# Altium PCB Clock_Board.PcbDoc (part 1 of 2)
Units mm, origin at the board's own origin, x right, y up, seen from the top; angles counter-clockwise.
Board outline 147.72 x 54.63 mm, 2 copper layers (Top Layer, Bottom Layer); 93 components, 96 nets, 439 pads, 453 vias.
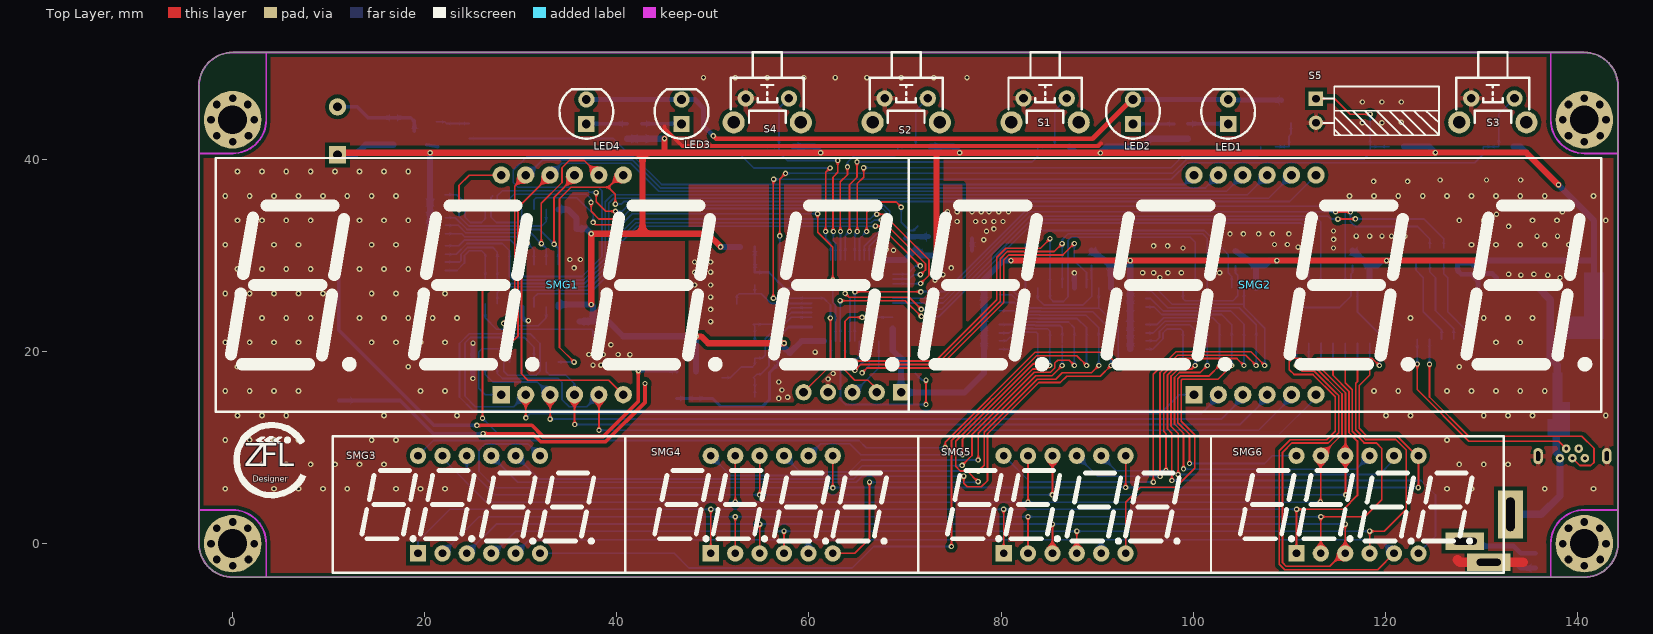
[diagram p0: Top Layer view]
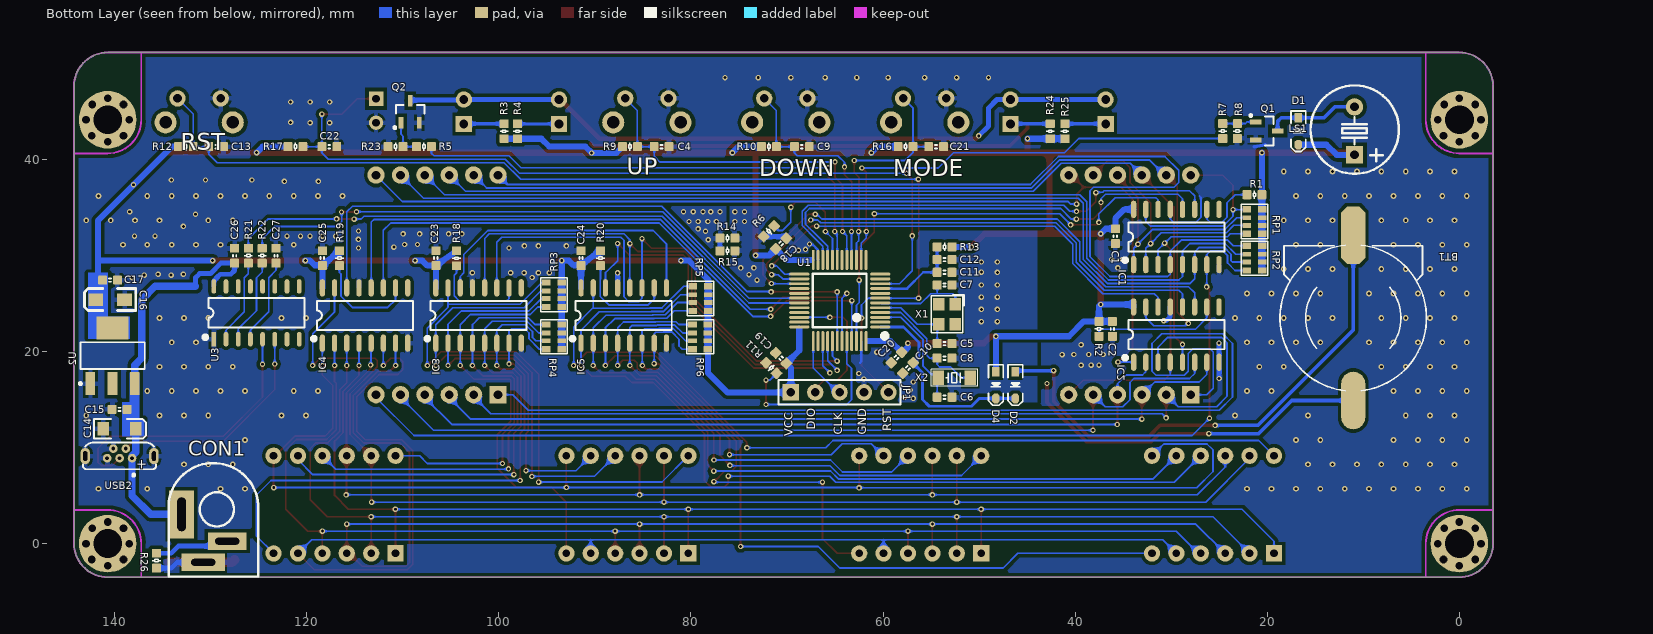
[diagram p1: Bottom Layer view, seen from below]

## Layer stack, top to bottom
Top Solder: solder mask 0.0102, Solder Resist, Dk 3.5
Top Layer: signal copper 0.0356
Dielectric 1: dielectric 0.32, FR-4, Dk 4.8
Bottom Layer: signal copper 0.0356
Bottom Solder: solder mask 0.0102, Solder Resist, Dk 3.5

## Board outline
-3.5,0 -3.5,47.625 cw(c0,47.625) 0,51.125 140.716,51.125 cw(c140.716,47.625) 144.216,47.625 144.216,0 cw(c140.716,0) 140.716,-3.5 0,-3.5 cw(c0,0)

## Design rules (kind name [scope] priority, off if disabled: settings)
Clearance Clearance_3 [InNamedPolygon('GGND_TOP')] p1: gap=0.381 ignorepadtopadclearanceinfootprint=FALSE except(0: Arc-Hole Track-Hole SMDPad-Hole THPad-Hole Via-Hole Fill-Hole Poly-Hole Region-Hole Text-Hole)
Clearance Clearance_2 [InNamedPolygon('GGND_TOP')] p2: gap=0.381 ignorepadtopadclearanceinfootprint=FALSE except(0: Arc-Hole Track-Hole SMDPad-Hole THPad-Hole Via-Hole Fill-Hole Poly-Hole Region-Hole Text-Hole)
Clearance Clearance_1 [InNamedPolygon('GGND_L01_P000')] p3: gap=0.381 ignorepadtopadclearanceinfootprint=FALSE except(0: Arc-Hole Track-Hole SMDPad-Hole THPad-Hole Via-Hole Fill-Hole Poly-Hole Region-Hole Text-Hole)
Clearance [All] p4: gap=0.178 ignorepadtopadclearanceinfootprint=FALSE
ComponentClearance [All] p1 off: gap=0.254 collisioncheckmode=3 verticalgap=0.254 showdistances=FALSE
PolygonConnect PolygonConnect_isvia [IsVia] p1: connectstyle=Direct reliefconductorwidth=0.508 reliefentries=4 polygonreliefangle="90 Angle" airgapwidth=0.254
PolygonConnect [All] p2: connectstyle=Relief reliefconductorwidth=0.508 reliefentries=4 polygonreliefangle="90 Angle" airgapwidth=0.254
RoomDefinition Clock [InComponentClass('Clock')] p1: confinementstyle=ConfineIn formatcopy=TRUE lockcomponents=FALSE outline -148.082,-133.985 418.973,-133.985 418.973,401.193 -148.082,401.193
RoutingVias [All] p1: holewidth=0.711 width=1.27 viastyle="Through Hole" minholewidth=0.711 minwidth=1.27 maxholewidth=0.711 maxwidth=1.27
SolderMaskExpansion [All] p1: expansion=0.102 istentingtop=FALSE
Width [All] p1: maxlimit=2.54 minlimit=0.178 preferedwidth=0.178
29 further rules are at their usual default settings.

## Components (designator, comment, footprint, x,y, rotation, side; value= is the part's Value field where it differs from the comment)
BT1 "BATTERY" VBAT 10.922,23.368 r0 bottom
C1 "100nF" 0603CC#1 35.814,32.004 r180 bottom
C2 "100nF" 0603CC#1 36.116,22.352 r180 bottom
C4 "100nF" 0603CC#1 83.045,41.323 r90 bottom
C5 "22p" 0603CC#2 53.593,20.828 r90 bottom
C6 "22p" 0603CC#2 53.594,15.24 r270 bottom
C7 "22p" 0603CC#2 53.593,26.924 r90 bottom
C8 "22p" 0603CC#2 53.593,19.304 r270 bottom
C9 "100nF" 0603CC#1 68.453,41.323 r90 bottom
C10 "100nF" 0603CC#2 57.404,18.288 r225 bottom
C11 "10uF" 0603CC#2 53.594,28.245 r90 bottom
C12 "100nF" 0603CC#2 53.594,29.566 r90 bottom
C13 "10uF" 0603CC#1 129.413,41.323 r270 bottom
C14 "470uF/35V" "CD A(3216)" 139.476,11.938 r0 bottom
C15 "100nF" 0603CC#1 139.476,13.97 r90 bottom
C16 "470uF/35V" C3216 140.462,25.4 r180 bottom
C17 "100nF" 0603CC#1 140.462,27.432 r270 bottom
C18 "1uF" 0603CC#2 70.612,31.242 r45 bottom
C19 "100nF" 0603CC#2 70.612,19.304 r315 bottom
C20 "10nF" 0603CC#2 58.592,19.381 r225 bottom
C21 "100nF" 0603CC#1 54.47,41.323 r90 bottom
C22 "100nF" 0603CC#1 117.642,41.323 r90 bottom
C23 "100nF" 0603CC#1 106.553,29.718 r0 bottom
C24 "100nF" 0603CC#1 91.44,29.718 r0 bottom
C25 "100nF" 0603CC#1 118.364,29.718 r0 bottom
C26 "100nF" 0603CC#1 127.508,29.972 r0 bottom
C27 "100nF" 0603CC#1 123.19,29.972 r0 bottom
CON1 "3.5*1.3" DC-012 133.02,3.054 r180 bottom
D1 "1N4148" SOD-323 16.764,42.926 r270 bottom
D2 "1N4148" SOD-323 46.228,16.51 r270 bottom
D4 "1N4148" SOD-323 48.26,16.51 r270 bottom
IC1 "74HC595" SOP16_N 29.464,31.921 r90 bottom
IC2 "74HC595" SOP16_N 29.464,21.761 r90 bottom
IC3 "74HC595" SOP16_N 102.108,23.749 r90 bottom
IC4 "74HC595" SOP16_N 113.919,23.749 r90 bottom
IC5 "74HC595" SOP16_N 86.995,23.749 r90 bottom
JP1 "HDR-1X5" HDR2.54-LI-5P 64.516,15.748 r180 bottom
LED1 "白色" "LED 5MM-W" 103.632,44.958 r90 top
LED2 "白色" "LED 5MM-W" 93.726,44.958 r90 top
LED3 "白色" "LED 5MM-W" 46.736,44.958 r90 top
LED4 "白色" "LED 5MM-W" 36.83,44.958 r90 top
LS1 "DC5V" "BEEP 5x9x5.5" 10.922,42.966 r180 bottom
Q1 "SS8050" SOT23-3N 20.066,42.951 r270 bottom
Q2 "SS8050" SOT23-3N 109.22,44.958 r180 bottom
R1 "10K" 0603RR#1 21.336,36.322 r90 bottom
R2 "10K" 0603RR#1 37.513,22.352 r0 bottom
R3 "470R" 0603RR#1 99.441,42.926 r180 bottom
R4 "470R" 0603RR#1 98.044,42.926 r180 bottom
R5 "1K" 0603RR#1 107.792,41.323 r270 bottom
R6 "10K" 0603RR#2 71.882,32.512 r45 bottom
R7 "1K" 0603RR#1 24.638,42.951 r0 bottom
R8 "10K" 0603RR#1 23.114,42.951 r180 bottom
R9 "10K" 0603RR#1 86.347,41.323 r270 bottom
R10 "10K" 0603RR#1 71.882,41.323 r270 bottom
R11 "10K" 0603RR#2 71.628,18.288 r315 bottom
R12 "10K" 0603RR#1 132.588,41.323 r270 bottom
R13 "10R" 0603RR#2 53.594,30.886 r90 bottom
R14 "0R" 0603RR#2 76.2,31.801 r270 bottom
R15 "0R" 0603RR#2 76.2,30.48 r270 bottom
R16 "10K" 0603RR#1 57.645,41.323 r270 bottom
R17 "10K" 0603RR#1 121.171,41.323 r270 bottom
R18 "10K" 0603RR#1 104.394,29.705 r0 bottom
R19 "10K" 0603RR#1 116.586,29.718 r0 bottom
R20 "10K" 0603RR#1 89.408,29.718 r0 bottom
R21 "220" 0603RR#1 126.069,29.972 r180 bottom
R22 "220" 0603RR#1 124.629,29.972 r180 bottom
R23 "10K" 0603RR#1 110.744,41.323 r270 bottom
R24 "470R" 0603RR#1 42.593,42.926 r180 bottom
R25 "470R" 0603RR#1 41.069,42.926 r180 bottom
R26 "0R" 0603RR#1 135.636,-1.778 r180 bottom
RP1 "1K" RCA-8P4R-0603 21.336,33.528 r270 bottom
RP2 "1K" RCA-8P4R-0603 21.336,29.718 r270 bottom
RP3 "1K" RCA-8P4R-0603 94.245,25.908 r90 bottom
RP4 "1K" RCA-8P4R-0603 94.245,21.52 r90 bottom
RP5 "1K" RCA-8P4R-0603 78.994,25.508 r270 bottom
RP6 "1K" RCA-8P4R-0603 79.032,21.52 r270 bottom
S1 "SW-PB" "TSW DIP-6*6*6_V" 84.582,46.347 r180 top
S2 "SW-PB" "TSW DIP-6*6*6_V" 70.122,46.347 r180 top
S3 "SW-PB" "TSW DIP-6*6*6_V" 131.191,46.347 r180 top
S4 "SW-PB" "TSW DIP-6*6*6_V" 55.662,46.347 r180 top
S5 "单刀开关" "CAP 2.5*5*11-H" 112.776,45.065 r270 top
SMG1 "8041B" "SMG 0.8-4P" 34.319,26.933 r0 top
SMG2 "8041B" "SMG 0.8-4P" 106.426,26.933 r0 top
SMG3 "3641B" "SMG 0.36-4P" 25.654,4.064 r0 top
SMG4 "3641B" "SMG 0.36-4P" 56.134,4.064 r0 top
SMG5 "3641B" "SMG 0.36-4P" 86.614,4.064 r0 top
SMG6 "3641B" "SMG 0.36-4P" 117.094,4.064 r0 top
U1 "STM32F103C8" "LQFP48 7X7_M" 64.516,25.304 r90 bottom
U2 "AMS1117-3.3" SOT223_N 140.208,19.558 r90 bottom
U3 "CH340C" SOP16_L 125.222,24.024 r90 bottom
USB2 "USB-5P" USB-MICRO_C 139.476,9.39 r0 bottom
X1 "8M" "OSC 3225-4P" 53.34,23.876 r270 bottom
X2 "32.768K" "OSC 3215-2P" 52.578,17.272 r0 bottom

## Footprints (in the part's own frame and the unit in brackets; to place one, negate y for a bottom-side part, rotate by r counter-clockwise, add the part's x,y. Pads: shape width x height; smd on the part's side, far side on the other; paste and mask are expansions set on the pad)
0603CC#1 [mm]
  rrect20% 0.95x0.92 smd: 1(0,0.775) 2(0,-0.775)
  silkscreen extent -0.18,-0.1 0.18,0.1, body extent -0.39,-0.8 0.39,0.8, height 0.79
0603CC#2 [mm]
  rrect20% 0.95x0.92 smd: 1(0,-0.775) 2(0,0.775)
  silkscreen extent -0.18,-0.1 0.18,0.1, body extent -0.39,-0.8 0.39,0.8, height 0.79
0603RR#1 [mm]
  rrect20% 0.95x0.92 smd: 1(0,0.775) 2(0,-0.775)
  silkscreen extent -0.43,-0.13 0.42,0.13, body extent -0.39,-0.8 0.39,0.8, height 0.3
0603RR#2 [mm]
  rrect20% 0.95x0.92 smd: 1(0,-0.775) 2(0,0.775)
  silkscreen extent -0.42,-0.13 0.42,0.13, body extent -0.39,-0.8 0.39,0.8, height 0.3
"BEEP 5x9x5.5" [mm] "5*9*5.5mm(脚距,直径,高度)"
  rect 1.8x1.8 hole 0.9: 1(0,-2.5)
  round 1.8 hole 0.9: 2(0,2.5)
  silkscreen extent -4.58,-4.47 4.62,4.72, body extent -4.5,-4.5 4.5,4.5, height 5.45
C3216 [mil] "A型/1206 3.2mmx1.6mm（蒜米工坊）"
  rect 60x51.18 smd: 1(-59,0) 2(59,0)
  silkscreen extent -105,-45 105,45, body extent -63,-31 63,32, height 63
"CAP 2.5*5*11-H" [mm] "脚距2.5mm直径5mm高度11mm"
  rect 1.5x1.5 hole 0.8: 1(-1.25,0)
  round 1.5 hole 0.8: 2(1.25,0)
  silkscreen extent -2.54,0.76 2.55,12.83, body extent -2.5,-0.25 2.51,12.96, height 5.02
"CD A(3216)" [mm] "长3.2mm，宽1.6mm，厚1.6mm"
  rect 1.2x1.4 smd: 1(-1.7,0) 2(1.7,0)
  silkscreen extent -2.74,-1.02 2.67,1.02, body extent -1.6,-0.8 1.6,0.8, height 1.6
DC-012 [mm] "5.5*2.1"
  rect 2.6x5 hole 0.9 slot 3.5 at 90 deg: 1(0,0)
  rect 4.5x1.8 hole 0.7 slot 2.5 at 0 deg: 2(2.25,-5)
  rect 4x1.8 hole 0.7 slot 2.5 at 0 deg: 3(4.75,-2.8)
  silkscreen extent -1.35,-6.48 8,5.33, body extent -1.11,-6.47 7.89,4.53, height 13.6
HDR2.54-LI-5P [mm] "排针，5脚"
  rect 1.7x1.7 hole 0.9: 1(-5.08,0)
  round 1.7 hole 0.9: 2(-2.54,0) 3(0,0) 4(2.54,0) 5(5.08,0)
  silkscreen extent -6.35,-1.27 6.35,1.27, body extent -6.35,-1.27 6.35,1.27, height 8.5
"LED 5MM-W" [mm] "白色5mm直插LED"
  rect 1.7x1.7 hole 0.9: 1(-1.27,0)
  round 1.7 hole 0.9: 2(1.27,0)
  silkscreen extent -2.8,-2.8 2.33,2.8, body extent -2.85,-2.85 2.45,2.85, height 8.75
"LQFP48 7X7_M" [mm] "48脚，体宽7x7mm，脚距0.5mm"
  oval 0.3x2.1 smd: 1(-2.75,-4.227) 2(-2.25,-4.227) 3(-1.75,-4.227) 4(-1.25,-4.227) 5(-0.75,-4.227) 6(-0.25,-4.227) 7(0.25,-4.227) 8(0.75,-4.227) 9(1.25,-4.227) 10(1.75,-4.227) 11(2.25,-4.227) 12(2.75,-4.227) 25(2.75,4.202) 26(2.25,4.202) 27(1.75,4.202) 28(1.25,4.202) 29(0.75,4.202) 30(0.25,4.202) 31(-0.25,4.202) 32(-0.75,4.202) 33(-1.25,4.202) 34(-1.75,4.202) 35(-2.25,4.202) 36(-2.75,4.202)
  oval 2.1x0.3 smd: 13(4.227,-2.75) 14(4.227,-2.25) 15(4.227,-1.75) 16(4.227,-1.25) 17(4.227,-0.75) 18(4.227,-0.25) 19(4.227,0.25) 20(4.227,0.75) 21(4.227,1.25) 22(4.227,1.75) 23(4.227,2.25) 24(4.227,2.75) 37(-4.227,2.75) 38(-4.227,2.25) 39(-4.227,1.75) 40(-4.227,1.25) 41(-4.227,0.75) 42(-4.227,0.25) 43(-4.227,-0.25) 44(-4.227,-0.75) 45(-4.227,-1.25) 46(-4.227,-1.75) 47(-4.227,-2.25) 48(-4.227,-2.75)
  silkscreen extent -3.93,-4.95 2.79,2.79, body extent -4.5,-4.5 4.5,4.5, height 1.45
"OSC 3215-2P" [mm] "3.2*1.5*0.6mm(长宽高)"
  rect 1.2x1.5 smd: 1(-1.65,0) 2(1.65,0)
  silkscreen extent -2.41,-0.89 2.41,0.89, body extent -1.6,-0.75 1.6,0.75, height 0.61
"OSC 3225-4P" [mm] "3.2*2.5*0.7mm(长宽高)"
  rect 1.3x1.2 smd: 1(-1.05,0.85) 2(1.05,0.85) 3(1.05,-0.85) 4(-1.05,-0.85)
  silkscreen extent -2.03,-1.65 1.91,1.75, body extent -1.6,-1.25 1.6,1.25, height 0.7
RCA-8P4R-0603 [mm] "3.2mm*1.6mm*0.6mm(长*宽*厚)"
  rect 0.65x0.9 smd: 1(-1.28,-0.8) 4(1.28,-0.8) 5(1.28,0.8) 8(-1.28,0.8)
  rect 0.5x0.9 smd: 2(-0.4,-0.8) 3(0.4,-0.8) 6(0.4,0.8) 7(-0.4,0.8)
  silkscreen extent -1.78,-1.4 1.78,1.4, body extent -1.6,-0.8 1.6,0.8, height 0.6
"SMG 0.8-4P" [mm] "59.2*27.7*10mm(长宽厚)"
  rect 1.8x1.8 hole 0.9: 1(-6.35,-11.43)
  round 1.8 hole 0.9: 2(-3.81,-11.43) 3(-1.27,-11.43) 4(1.27,-11.43) 5(3.81,-11.43) 6(6.35,-11.43) 7(6.35,11.43) 8(3.81,11.43) 9(1.27,11.43) 10(-1.27,11.43) 11(-3.81,11.43) 12(-6.35,11.43)
  silkscreen extent -36.07,-13.21 36.07,13.21, body extent -35.8,-13 35.8,13, height 10
"SMG 0.36-4P" [mm] "30*14*7.2mm(长宽厚)"
  rect 1.7x1.7 hole 0.8: 1(-6.35,-5.08)
  round 1.7 hole 0.8: 2(-3.81,-5.08) 3(-1.27,-5.08) 4(1.27,-5.08) 5(3.81,-5.08) 6(6.35,-5.08) 7(6.35,5.08) 8(3.81,5.08) 9(1.27,5.08) 10(-1.27,5.08) 11(-3.81,5.08) 12(-6.35,5.08)
  silkscreen extent -15.24,-7.11 15.24,7.11, body extent -15,-7 15,7, height 7.2
SOD-323 [mm] "1.8x1.3X0.9mm（长宽高，不包括引脚）"
  rect 1x0.8 smd: 1(-1.4,0)
  oct 1x0.8 smd: 2(1.4,0)
  silkscreen extent -2.11,-0.76 2.11,0.76, body extent -1.34,-0.63 1.31,0.67, height 1
SOP16_L [mm] "10.3*6.2*1.8mm（长宽高）"
  rect 1.5x0.5 smd: 1(-2.752,4.445)
  oval 1.5x0.5 smd: 2(-2.752,3.175) 3(-2.752,1.905) 4(-2.752,0.635) 5(-2.752,-0.635) 6(-2.752,-1.905) 7(-2.752,-3.175) 8(-2.752,-4.445) 9(2.752,-4.445) 10(2.752,-3.175) 11(2.752,-1.905) 12(2.752,-0.635) 13(2.752,0.635) 14(2.752,1.905) 15(2.752,3.175) 16(2.752,4.445)
  silkscreen extent -2.69,-5 1.52,5.49, body extent -3,-5 3,5, height 1.9
SOP16_N [mm] "10.3*6.2*1.8mm（长宽高）"
  oval 1.8x0.55 smd: 1(-2.877,4.445) 2(-2.877,3.175) 3(-2.877,1.905) 4(-2.877,0.635) 5(-2.877,-0.635) 6(-2.877,-1.905) 7(-2.877,-3.175) 8(-2.877,-4.445) 9(2.877,-4.445) 10(2.877,-3.175) 11(2.877,-1.905) 12(2.877,-0.635) 13(2.877,0.635) 14(2.877,1.905) 15(2.877,3.175) 16(2.877,4.445)
  silkscreen extent -2.57,-5 1.52,5.49, body extent -3,-5 3,5, height 1.9
SOT23-3N [mm] "3x1.3x1mm(长宽高)"
  rect 0.5x1.2 smd: 1(-0.95,-1.143) 2(0.95,-1.143) 3(0,1.143)
  silkscreen extent -1.72,-1.78 1.5,0.7, body extent -1.5,-1.2 1.5,1.2, height 1.05
SOT223_N [mm] "SOT223, 4-Leads, Body 6.5x3.5mm, Pitch 2.3mm, Lead Span 7mm, IPC Medium Density"
  rect 2.4x1 smd: 1(-2.9,2.3) 2(-2.9,0) 3(-2.9,-2.3)
  rect 2.4x3.3 smd: 4(2.9,0)
  silkscreen extent -3.02,-3.35 1.4,3.48, body extent -1.85,-3.35 1.85,3.35, height 1.7
"TSW DIP-6*6*6_V" [mm] "侧按轻触开关 6*6*6mm"
  round 2.3 hole 1.3: 0(-3.5,2.5) 0(3.5,2.5)
  round 1.7 hole 0.9: 1(-2.25,0) 2(2.25,0)
  silkscreen extent -3.81,-4.83 3.81,2.54, body extent -4.18,-4.72 4.18,4.13, height 7.47
USB-MICRO_C [mm] "micro型USB ，5.7*7.8*2.5mm"
  round 0.9 hole 0.4: 1(-1.3,0.5) 2(-0.65,-0.5) 3(0,0.5) 4(0.65,-0.5) 5(1.3,0.5)
  oval 1x1.7 hole 0.4 slot 1 at 90 deg: 5(-3.575,0.28) 5(3.575,0.28)
  silkscreen extent -3.81,-1.14 3.81,2.39, body extent -4,-1.21 4,1.77, height 5.65
VBAT [mm]
  oct 2.5x6 smd: 1(0.127,-8.729)
  oval 2.5x6 smd: 2(0.127,8.471)
  silkscreen extent -7.49,-7.7 7.74,7.45

## Part data
BT1: "Battery"
C1 C2 C4 C5 C6 C7 C8 C9 C10 C11 C12 C13 C15 C17 C18 C19 C20 C21 C22 C23 C24 C25 C26 C27: library part cap
C14 C16: library part Ecap
CON1: library part P-DC, "低压电源接口", BOM名称=DC电源接口, 学习资源=www.ooocke.com, 版权归属=源创客
D1: "高速开关二极管", BOM名称=高速开关二极管, 学习资源=www.ooocke.com, 版权归属=源创客
D2 D4: library part D
IC1 IC2 IC3 IC4 IC5: "8位移位寄存器", BOM名称=8位移位寄存器, 学习资源=www.ooocke.com, 版权归属=源创客
JP1: library part "Header 5", "5P接插件", BOM名称=5P接插件, 学习资源=www.ooocke.com, 版权归属=源创客
LED1 LED2 LED3 LED4: library part LED-5MM, "5mm插件LED", BOM名称=5mm插件LED, 学习资源=www.ooocke.com, 版权归属=源创客
LS1: library part BEEP, "蜂鸣器", BOM名称=蜂鸣器, 学习资源=www.ooocke.com, 版权归属=源创客
Q1 Q2: library part 8050-SMD, "高频放大-NPN型", BOM名称=高频放大-NPN型, 学习资源=www.ooocke.com, 属性="40V 1.5A 1W 100MHZ", 版权归属=源创客
R1 R2 R3 R4 R5 R6 R7 R8 R9 R10 R11 R12 R13 R14 R15 R16 R17 R18 R19 R20 R21 R22 R23 R24 R25 R26: library part res
RP1 RP2 RP3 RP4 RP5 RP6: library part Resistor_Pack
S1 S2 S3 S4: "Switch", LatestRevisionDate=17-Jul-2002, LatestRevisionNote="Re-released for DXP Platform.", PackageReference=SPST-2, Published=24-Mar-1999, Publisher="Altium Limited"
SMG1 SMG2: "0.8寸4位共阳数码管", BOM名称=0.8寸4位共阳, 学习资源=www.ooocke.com, 版权归属=源创客
SMG3 SMG4 SMG5 SMG6: "0.36寸4位共阳数码管", BOM名称=0.36寸4位共阳, 学习资源=www.ooocke.com, 版权归属=源创客
U1: "Flaah:64/RAM:20/IO:36", BOM名称=32位STM单片机, 学习资源=www.ooocke.com, 版权归属=源创客
U2: library part AMS1117
USB2: "微型USB母座", BOM名称=微型USB母座, 学习资源=www.ooocke.com, 版权归属=源创客
X1: library part XTAL-4P, "4脚无源晶振", BOM名称=4脚无源晶振, 学习资源=www.ooocke.com, 版权归属=源创客
X2: library part XTAL-2P, "2脚无源脚晶振", BOM名称=2脚无源脚晶振, 学习资源=www.ooocke.com, 版权归属=源创客

## Free pads (board coordinates)
  round 6 hole 3 unplated: 1(0,44.125) 2(0,0) 3(140.716,44.125) 4(140.716,0)

## Via types
v1: diameter 0.559, hole 0.305, Top Layer to Bottom Layer, tented both sides, 264 vias
v2: diameter 0.6, hole 0.3, Top Layer to Bottom Layer, 157 vias
v3: diameter 0.8, hole 0.8, Top Layer to Bottom Layer, 32 vias

## Nets (pads, with @x,y where several pads share a name; then routed paths per layer and width w, separated by ;. In a path a pad name is that pad's centre, name@x,y a point inside that pad or via, vN(x,y) a via of type N, cw(c..) or ccw(c..) an arc to the next point about the centre after c; other vN are vias at no path point)
BEEP_GPIOA_4: R7.1 U1.14 | length 48.8
  Top Layer w0.178: v1(61.732,32.498) 61.732,38.641 v1(62.198,39.107)
  Bottom Layer w0.178: R7.1@24.638,42.176 39.616,42.176 41.109,40.684 52.66,40.684 54.237,39.107 v1(62.198,39.107) ; v1(61.732,32.498) 61.732,31.821 62.266,31.286 U1.14@62.266,29.531
D0_A: IC4.15 SMG3.11 SMG4.11 SMG5.11 SMG6.11 | length 136.2
  Top Layer w0.178: v1(52.324,4.318) SMG4.11@52.324,9.144 ; v1(82.804,4.318) SMG5.11@82.804,9.144 ; v1@113.284,4.318 113.262,4.34 113.262,9.122 115.495,11.355 115.495,15.567 112.652,18.411 112.652,19.068 112.888,19.304 118.618,19.304 v1(119.38,18.542)
  Bottom Layer w0.178: SMG3.11@21.844,9.144 21.844,8.89 26.416,4.318 v1(52.324,4.318) v1(82.804,4.318) v1(113.239,4.318) ; IC4.15@117.094,26.626 117.094,24.13 119.38,21.844 v1(119.38,18.542)
D0_B: IC4.1 SMG3.7 SMG4.7 SMG5.7 SMG6.7 | length 134.5
  Top Layer w0.178: v1(62.484,5.804) SMG4.7@62.484,9.144 ; v1(92.964,5.842) SMG5.7@92.964,9.144 ; v1(118.364,18.542) 118.364,17.547 117.273,16.456 117.273,12.007 118.086,11.195 121.228,11.195 123.279,9.144 SMG6.7@123.444,9.144 123.444,5.842 v1(123.424,5.822)
  Bottom Layer w0.178: SMG3.7@32.004,9.144 30.782,10.366 26.267,10.366 25.654,9.753 25.654,7.505 27.33,5.83 62.458,5.83 v1(62.484,5.804) ; v1@62.484,5.842 v1(92.964,5.842) 92.974,5.832 123.414,5.832 v1(123.424,5.822) ; v1(118.364,18.542) IC4.1@118.364,20.872
D0_C: IC4.2 SMG3.4 SMG4.4 SMG5.4 SMG6.4 | length 125.5
  Top Layer w0.178: SMG4.4@57.404,-1.016 v1(57.404,1.295) ; SMG5.4@87.884,-1.016 v1(87.884,1.295) ; v1(117.094,18.542) 117.094,16.866 116.918,16.69 116.918,11.86 117.939,10.839 121.078,10.839 122.174,9.743 122.174,3.581 119.888,1.295 v1(118.364,1.295) SMG6.4@118.364,-1.016
  Bottom Layer w0.178: SMG3.4@26.924,-1.016 27.173,-1.016 29.484,1.295 v1(57.404,1.295) v1(87.884,1.295) v1(118.364,1.295) ; v1(117.094,18.542) IC4.2@117.094,20.872
D0_D: IC4.3 SMG3.2 SMG4.2 SMG5.2 SMG6.2 | length 130.2
  Top Layer w0.178: SMG4.2@52.324,-1.016 v1(52.324,2.794) ; SMG5.2@82.804,-1.016 v1(82.804,2.794) ; SMG6.2@113.284,-1.016 v1(113.284,2.794) 117.856,2.794 119.634,4.572 119.634,9.906 119.057,10.483 117.787,10.483 116.562,11.708 116.562,16.009 115.824,16.748 v1(115.824,18.542)
  Bottom Layer w0.178: SMG3.2@21.844,-1.016 25.654,2.794 v1(52.324,2.794) v1(82.804,2.794) v1(113.284,2.794) ; v1(115.824,18.542) IC4.3@115.824,20.872
D0_E: IC4.4 SMG3.1 SMG4.1 SMG5.1 SMG6.1 | length 131.7
  Top Layer w0.178: SMG4.1@49.784,-1.016 v1(49.784,3.578) ; SMG5.1@80.264,-1.016 v1(80.264,3.578) ; SMG6.1@110.744,-1.016 v1@110.744,3.578 ; v1(110.762,3.578) 115.654,3.578 117.094,5.017 117.094,10.673 116.207,11.56 116.207,15.862 114.554,17.515 v1(114.554,18.542)
  Bottom Layer w0.178: SMG3.1@19.304,-1.016 19.304,0.254 22.628,3.578 v1(49.784,3.578) v1(80.264,3.578) v1(110.762,3.578) ; v1(114.554,18.542) IC4.4@114.554,20.872
D0_F: IC4.5 SMG3.10 SMG4.10 SMG5.10 SMG6.10 | length 118.9
  Top Layer w0.178: v1(54.864,5.08) SMG4.10@54.864,9.144 ; v1(85.344,5.08) SMG5.10@85.344,9.144 ; v1(113.336,18.594) 113.34,18.59 113.34,18.226 115.851,15.715 115.851,9.171 SMG6.10@115.824,9.144 115.855,9.113 115.855,5.111 v1@115.824,5.08
  Bottom Layer w0.178: SMG3.10@24.384,9.144 24.384,7.972 27.276,5.08 v1(54.864,5.08) v1(85.344,5.08) v1(115.887,5.08) ; IC4.5@113.284,20.872 113.31,20.846 113.31,18.62 v1(113.336,18.594)
D0_G: IC4.6 SMG3.5 SMG4.5 SMG5.5 SMG6.5 | length 142.1
  Top Layer w0.178: v1(112.014,18.542) 111.252,19.304 110.34,19.304 109.982,18.946 109.982,18.116 110.5,17.598 112.459,17.598 114.784,15.273 114.784,11.712 113.895,10.823 110.103,10.823 108.947,9.667 108.947,-2.151 109.515,-2.719 119.201,-2.719 SMG6.5@120.904,-1.016
  Bottom Layer w0.178: SMG3.5@29.464,-1.016 30.889,0.409 59.944,0.409 ; SMG4.5@59.944,-1.016 59.944,0.409 ; SMG5.5@90.424,-1.016 90.424,0.409 ; v1(112.014,18.542) IC4.6@112.014,20.872 ; SMG6.5@120.904,-1.016 119.479,0.409 90.424,0.409 ; 59.944,0.409 90.424,0.409
D0_H: IC4.7 SMG3.3 SMG4.3 SMG5.3 SMG6.3 | length 139.2
  Top Layer w0.178: SMG4.3@54.864,-1.016 v1(54.864,2.032) ; SMG5.3@85.344,-1.016 v1(85.344,2.032) ; v1(110.744,18.542) 111.332,17.954 112.606,17.954 114.85,15.71 115.14,15.42 115.14,11.54 114.067,10.467 110.25,10.467 109.303,9.52 109.303,-2.004 109.663,-2.363 114.223,-2.363 115.57,-1.016 SMG6.3@115.824,-1.016 v1(115.824,2.032)
  Bottom Layer w0.178: SMG3.3@24.384,-1.016 27.432,2.032 v1(54.864,2.032) v1(85.344,2.032) v1(115.824,2.032) ; v1(110.744,18.542) IC4.7@110.744,20.872
D_A: IC2.15 SMG1.11 SMG2.11 | length 96.9
  Top Layer w0.178: v1(28.214,22.932) 29.362,24.08 29.362,37.216 SMG1.11@30.509,38.363
  Bottom Layer w0.178: v1(28.214,22.932) 28.318,22.932 28.585,22.664 31.805,22.664 32.639,23.498 IC2.15@32.639,24.638 ; SMG1.11@30.509,38.363 30.688,38.363 32.27,39.945 41.593,39.945 44.511,37.027 101.28,37.027 SMG2.11@102.616,38.363
D_B: IC2.1 SMG1.7 SMG2.7 | length 103.2
  Top Layer w0.178: v1(35.551,18.898) 34.036,20.414 34.036,35.908 35.226,37.098 39.113,37.098 ; v1(39.838,35.346) 39.838,36.373 39.113,37.098 ; SMG1.7@40.707,38.325 SMG1.7@40.669,38.363 40.378,38.363 39.113,37.098
  Bottom Layer w0.178: IC2.1@33.909,18.884 33.923,18.898 v1(35.551,18.898) ; v1(39.838,35.346) 40.448,35.346 40.707,35.605 110.018,35.605 SMG2.7@112.776,38.363
D_C: IC2.2 SMG1.4 SMG2.4 | length 82.4
  Top Layer w0.178: SMG1.4@35.589,15.503 35.601,15.491 35.601,12.412 v1(35.614,12.399)
  Bottom Layer w0.178: IC2.2@32.639,18.884 32.639,17.895 32.984,17.55 34.663,17.55 35.589,16.624 SMG1.4@35.589,15.503 ; v1@35.614,12.593 v1(35.614,12.399) 35.623,12.409 104.908,12.409 107.696,15.197 SMG2.4@107.696,15.503
D_D: IC2.3 SMG1.2 SMG2.2 | length 97.6
  Top Layer w0.178: SMG1.2@30.509,15.503 30.518,15.495 30.518,13.093 v1(30.526,13.084)
  Bottom Layer w0.178: SMG1.2@30.509,15.503 29.255,14.249 25.268,14.249 24.191,15.326 24.191,20.894 24.761,21.464 30.352,21.464 31.369,20.447 IC2.3@31.369,19.221 ; v1(30.526,13.084) 30.949,13.508 100.832,13.508 102.616,15.292 SMG2.2@102.616,15.503
D_E: IC2.4 SMG1.1 SMG2.1 | length 112.3
  Bottom Layer w0.178: SMG1.1@27.969,15.503 26.289,15.503 25.622,16.17 25.622,19.94 25.959,20.278 27.728,20.278 28.214,19.792 28.214,17.954 28.632,17.537 31.587,17.537 32.004,17.954 32.004,20.828 30.988,21.844 24.638,21.844 23.622,20.828 23.622,15.265 25.007,13.88 96.938,13.88 98.561,15.503 SMG2.1@100.076,15.503 ; 30.099,17.561 IC2.4@30.099,18.884 IC2.4@30.099,19.221
D_F: IC2.5 SMG1.10 SMG2.10 | length 95.8
  Top Layer w0.178: v1(28.828,20.736) 29.718,21.626 29.718,35.032 SMG1.10@33.049,38.363
  Bottom Layer w0.178: IC2.5@28.829,18.884 v1@28.828,20.735 ; SMG1.10@33.049,38.363 34.275,39.589 41.446,39.589 44.363,36.672 103.465,36.672 SMG2.10@105.156,38.363
D_G: IC2.6 SMG1.5 SMG2.5 | length 92.6
  Top Layer w0.178: SMG1.5@38.129,15.503 38.138,15.494 38.138,11.807 v1(38.147,11.798)
  Bottom Layer w0.178: IC2.6@27.559,19.221 27.559,17.712 28.089,17.181 33.885,17.181 34.29,16.776 34.29,14.986 35.04,14.236 36.862,14.236 SMG1.5@38.129,15.503 ; v1(38.147,11.798) 106.794,11.798 110.236,15.241 SMG2.5@110.236,15.503
D_H: IC2.7 SMG1.3 SMG2.3 | length 84.8
  Top Layer w0.178: SMG1.3@33.049,15.503 33.053,15.499 33.053,12.966 v1(33.057,12.961)
  Bottom Layer w0.178: IC2.7@26.289,18.884 26.289,17.606 27.069,16.826 31.727,16.826 SMG1.3@33.049,15.503 ; v1(33.057,12.961) 102.917,12.961 105.156,15.201 SMG2.3@105.156,15.503
DUAN0_DATA_IN: IC4.14 U1.42 | length 68
  Top Layer w0.178: v1@64.781,26.209 v1(71.648,26.209)
  Bottom Layer w0.178: U1.42@64.766,21.077 64.766,26.195 v1(64.781,26.209) ; v1(71.648,26.209) 71.675,26.235 74.129,26.235 83.018,35.123 115.234,35.123 115.824,34.533 IC4.14@115.824,26.626
DUAN0_DATA_MOVE: IC4.11 U1.45 | length 64
  Top Layer w0.178: v1(63.237,25.288) 70.029,25.288 71.667,23.65 v1(71.698,23.65)
  Bottom Layer w0.178: v1(63.237,25.288) 63.266,25.26 U1.45@63.266,21.077 ; v1(71.698,23.65) 73.557,23.65 83.28,33.374 111.252,33.374 112.014,32.612 IC4.11@112.014,26.626
DUAN0_DATA_OUT: IC4.12 U1.43 | length 66.2
  Top Layer w0.178: v1(63.766,26.054) 64.166,25.654 70.436,25.654 v1(71.689,24.4)
  Bottom Layer w0.178: v1(63.766,26.054) 64.266,25.554 U1.43@64.266,21.077 ; v1(71.689,24.4) 73.804,24.4 83.133,33.729 113.03,33.729 113.284,33.475 IC4.12@113.284,26.626
DUAN_DATA_IN: IC2.14 U1.25 | length 50.4
  Top Layer w0.178: v1(66.916,33.05) 67.452,33.05 v1(71.581,28.921)
  Bottom Layer w0.178: IC2.14@31.369,24.638 31.369,25.64 31.75,26.021 37.112,26.021 40.244,29.153 40.244,31.146 42.142,33.044 66.909,33.044 v1(66.916,33.05) ; U1.25@68.718,28.054 70.218,28.054 71.094,28.93 71.572,28.93 v1(71.581,28.921)
DUAN_DATA_MOVE: IC2.11 U1.27 | length 58.3
  Top Layer w0.178: v1(67.056,34.29) 67.757,34.29 72.492,29.555 72.492,27.942 v1(71.63,27.081)
  Bottom Layer w0.178: IC2.11@27.559,24.975 27.559,26.097 28.194,26.732 36.818,26.732 39.533,29.447 39.533,31.441 41.879,33.787 66.377,33.787 66.88,34.29 v1(67.056,34.29) ; U1.27@68.718,27.054 71.604,27.054 v1(71.63,27.081)
DUAN_DATA_OUT: IC2.12 U1.26 | length 55
  Top Layer w0.178: v1(67.522,33.694) 67.58,33.694 72.136,29.138 72.136,28.492 71.647,28.003 v1(71.59,28.003)
  Bottom Layer w0.178: IC2.12@28.829,24.975 28.829,26.007 29.198,26.377 36.965,26.377 39.889,29.3 39.889,31.293 41.995,33.4 66.493,33.4 66.787,33.694 v1(67.522,33.694) ; U1.26@68.718,27.554 70.442,27.554 70.891,28.003 v1(71.59,28.003)
GGND: BT1.2 C5.1 C6.2 C7.1 C8.2 C10.1 C11.1 C12.1 C18.1 C19.1 C20.1 JP1.4 R6.2 R11.1 R14.2 R15.2 U1.8 U1.23 U1.35 U1.47 | length 44.2
  Top Layer w0.381: v1(26.075,11.453) 31.224,11.453 32.086,10.592 38.825,10.592 42.924,14.691 v1(42.924,16.665)
  Bottom Layer w0.254: U1.47@62.266,21.077 62.266,18.957 62.39,18.833 ; U1.23@66.766,29.531 66.775,29.54 66.775,30.583 67.317,31.125 67.593,31.125 v1(67.651,31.184)
  Bottom Layer w0.381: BT1.2@11.049,14.897 17.456,14.897 20.899,11.453 v1(26.075,11.453)
  Bottom Layer w0.508: C18.1@70.064,31.79 70.355,31.79 70.519,31.953 72.419,31.953 R6.2@72.43,31.964
  other v1: 56.856,15.127 57.772,15.24 57.172,15.986 56.856,16.823 61.998,17.141 62.515,17.71 60.635,19.929 48.1,23.114 49.768,23.114 48.1,24.384 49.768,24.384 48.1,25.654 49.768,25.654 48.1,26.924 49.768,26.924 73.119,27.432 73.955,28.003 48.1,28.231 49.768,28.255 73.441,28.702 74.808,28.702 48.1,29.312 49.768,29.312 68.796,30.539 68.068,30.638 74.422,33.528 75.425,33.528 74.422,34.544 75.425,34.544
GND: C1.2 C2.2 C4.2 C9.2 C13.1 C14.2 C15.1 C16.2 C17.1 C21.2 C22.2 C23.2 C24.2 C25.2 C26.2 C27.2 CON1.2 IC1.8 IC1.13 IC2.8 IC2.13 IC3.8 IC3.13 IC4.8 IC4.13 IC5.8 IC5.13 Q1.2 Q2.2 R8.2 R14.1 R15.1 R23.2 R26.2 S1.2 S2.2 S3.2 S4.2 S5.2 U2.1 U3.1 USB2.4 USB2.5 | length 75.1
  Top Layer w0.381: 44.958,43.434 44.958,43.245 46.81,41.394 90.146,41.394 90.4,41.648
  Top Layer w1: 127.508,-1.692 127.762,-1.946 CON1.2@130.77,-1.946 134.375,-1.946
  Bottom Layer w0.178: 27.08,36.195 26.905,36.021 26.905,33.966 27.444,33.427 27.559,33.427 27.567,33.419 29.718,33.419 30.099,33.8 IC1.13@30.099,34.798
  Bottom Layer w0.381: 20.212,41.526 21.336,41.303 ; R15.1@76.975,30.48 R14.1@76.975,31.801
  Bottom Layer w0.508: v1(25.01,17.195) 25.01,18.875 IC2.8@25.019,18.884 25.019,20.863 v1(25.025,20.868) ; IC2.13@30.099,24.638 30.107,24.63 30.107,23.614 30.511,23.211 v1(30.794,23.211) ; IC5.13@87.63,26.626 v1(87.63,28.193) ; CON1.2@130.77,-1.946 133.492,-1.946 134.099,-2.553 R26.2@135.636,-2.553
  other v1: 39.37,18.565 37.513,18.583 38.342,18.583 41.348,19.665 37.084,19.68 38.586,19.68 40.142,19.68 39.37,20.704 96.52,27.697 138.177,27.686 134.112,27.95 136.906,27.95 132.842,28.043 135.466,28.043 94.742,28.194 95.876,28.194 97.355,28.194 98.762,28.194 102.743,28.194 35.56,28.702 35.105,29.576 36.197,29.576 114.601,30.767 98.933,30.775 110.928,30.861 92.964,30.996 95.876,30.996 97.332,30.996 108.458,31.137 109.805,31.137 78.194,31.634 114.616,31.68 116.969,32.004 118.364,32.004 119.647,32.004 120.64,32.004 122.047,32.004 135.784,32.004 137.922,32.004 103.826,32.243 105.223,32.243 106.807,32.243 108.242,32.243 109.957,32.243 78.486,32.52 114.602,32.541 79.248,32.765 132.842,33.02 77.343,33.528 78.232,33.528 79.248,33.528 80.196,33.528 131.572,34.29 76.975,34.544 77.93,34.544 78.74,34.544 79.756,34.544 80.772,34.544 138.43,34.544 118.785,37.717 122.314,37.717 125.698,37.846 130.527,37.846 134.085,37.846 117.602,43.815 119.634,43.815 121.666,43.847 117.602,45.974 119.634,45.974 121.666,45.974 49.022,48.506 52.332,48.506 55.662,48.506 59.472,48.506 62.738,48.506 66.033,48.506 69.596,48.506 72.993,48.506 76.454,48.506
  other v2: -0.762,5.715 1.778,5.715 4.318,5.715 6.858,5.715 9.398,5.715 11.938,5.715 14.478,5.715 17.018,5.715 19.558,5.715 22.098,5.715 126.429,5.715 128.969,5.715 136.589,5.715 141.669,5.715 0.508,8.255 3.048,8.255 5.588,8.255 8.128,8.255 10.668,8.255 13.208,8.255 15.748,8.255 127.699,8.255 130.239,8.255 132.779,8.255 -0.762,10.795 1.778,10.795 4.318,10.795 6.858,10.795 14.478,10.795 17.018,10.795 126.429,10.795 0.508,13.335 3.048,13.335 5.588,13.335 15.748,13.335 23.368,13.335 120.079,13.335 122.619,13.335 130.239,13.335 132.779,13.335 135.319,13.335 142.939,13.335 -0.762,15.875 1.778,15.875 4.318,15.875 6.858,15.875 19.558,15.875 22.098,15.875 118.809,15.875 121.349,15.875 126.429,15.875 128.969,15.875 131.509,15.875 134.049,15.875 136.589,15.875 0.508,18.415 3.048,18.415 5.588,18.415 8.128,18.415 18.288,18.415 20.828,18.415 127.699,18.415 130.239,18.415 132.779,18.415 135.319,18.415 -0.762,20.955 1.778,20.955 4.318,20.955 6.858,20.955 9.398,20.955 14.478,20.955 17.018,20.955 19.558,20.955 22.098,20.955 131.509,20.955 134.049,20.955 0.508,23.495 3.048,23.495 5.588,23.495 8.128,23.495 13.208,23.495 15.748,23.495 18.288,23.495 20.828,23.495 23.368,23.495 120.079,23.495 122.619,23.495 130.239,23.495 132.779,23.495 135.319,23.495 -0.762,26.035 1.778,26.035 4.318,26.035 6.858,26.035 9.398,26.035 14.478,26.035 17.018,26.035 19.558,26.035 22.098,26.035 0.508,28.575 3.048,28.575 5.588,28.575 8.128,28.575 13.208,28.575 15.748,28.575 18.288,28.575 -0.762,31.115 1.778,31.115 4.318,31.115 6.858,31.115 14.478,31.115 17.018,31.115 121.349,31.115 128.969,31.115 131.509,31.115 134.049,31.115 136.589,31.115 139.129,31.115 0.508,33.655 3.048,33.655 5.588,33.655 8.128,33.655 13.208,33.655 15.748,33.655 18.288,33.655 127.699,33.655 130.239,33.655 135.319,33.655 137.859,33.655 140.399,33.655 142.939,33.655 -0.762,36.195 1.778,36.195 4.318,36.195 6.858,36.195 9.398,36.195 11.938,36.195 14.478,36.195 17.018,36.195 116.269,36.195 118.809,36.195 121.349,36.195 123.889,36.195 126.429,36.195 128.969,36.195 131.509,36.195 134.049,36.195 136.589,36.195 141.669,36.195 0.508,38.735 3.048,38.735 5.588,38.735 8.128,38.735 10.668,38.735 13.208,38.735 15.748,38.735 18.288,38.735
KEY_DOWN_GPIOA_6: C9.1 R10.1 S2.1 U1.16 | length 24.2
  Top Layer w0.178: v1(63.284,32.498) 63.266,32.516 63.266,37.667 64.008,38.409 v1(64.008,39.222)
  Bottom Layer w0.178: U1.16@63.266,29.531 63.275,29.54 63.275,32.489 v1(63.284,32.498) ; v1(64.008,39.222) 64.008,39.682 64.712,40.386 68.942,40.386 69.228,40.672 C9.1@69.228,41.323 R10.1@71.107,41.323 71.107,45.082 S2.1@72.372,46.347
KEY_MODE_GPIOA_5: C21.1 R16.1 S4.1 U1.15 | length 24.8
  Top Layer w0.178: v1(62.542,32.498) 62.499,32.541 62.499,38.148 62.992,38.641 v1(62.992,39.878)
  Bottom Layer w0.178: C21.1@55.245,41.323 R16.1@56.87,41.323 ; S4.1@57.912,46.347 56.87,45.305 R16.1@56.87,41.323 ; v1(62.542,32.498) 62.542,31.513 62.766,31.289 U1.15@62.766,29.531 ; v1(62.992,39.878) 57.751,39.878 56.87,40.759 R16.1@56.87,41.323
KEY_UP_GPIOA_7: C4.1 R9.1 S1.1 U1.17 | length 38.1
  Top Layer w0.178: v1(64.221,32.498) 64.221,37.371 64.998,38.148 v1(64.998,39.733)
  Bottom Layer w0.178: U1.17@63.766,29.531 63.766,32.043 v1(64.221,32.498) ; v1(64.998,39.733) 83.237,39.733 83.82,40.316 C4.1@83.82,41.323 R9.1@85.572,41.323 85.572,45.087 S1.1@86.832,46.347
LED_GPIOB_1: R5.1 U1.19 | length 53
  Top Layer w0.178: v1(65.024,32.498) 65.024,37.485 65.687,38.148 v1(65.687,39.124)
  Bottom Layer w0.178: U1.19@64.766,29.531 64.766,32.144 ; v1(65.024,32.498) 65.024,32.493 64.766,32.235 64.766,32.144 ; v1@65.069,32.448 64.766,32.144 ; v1(65.687,39.124) 97.693,39.124 98.939,40.371 106.748,40.371 107.017,40.64 R5.1@107.017,41.323